# Altium PCB VCO.PcbDoc (part 1 of 2) (continued)
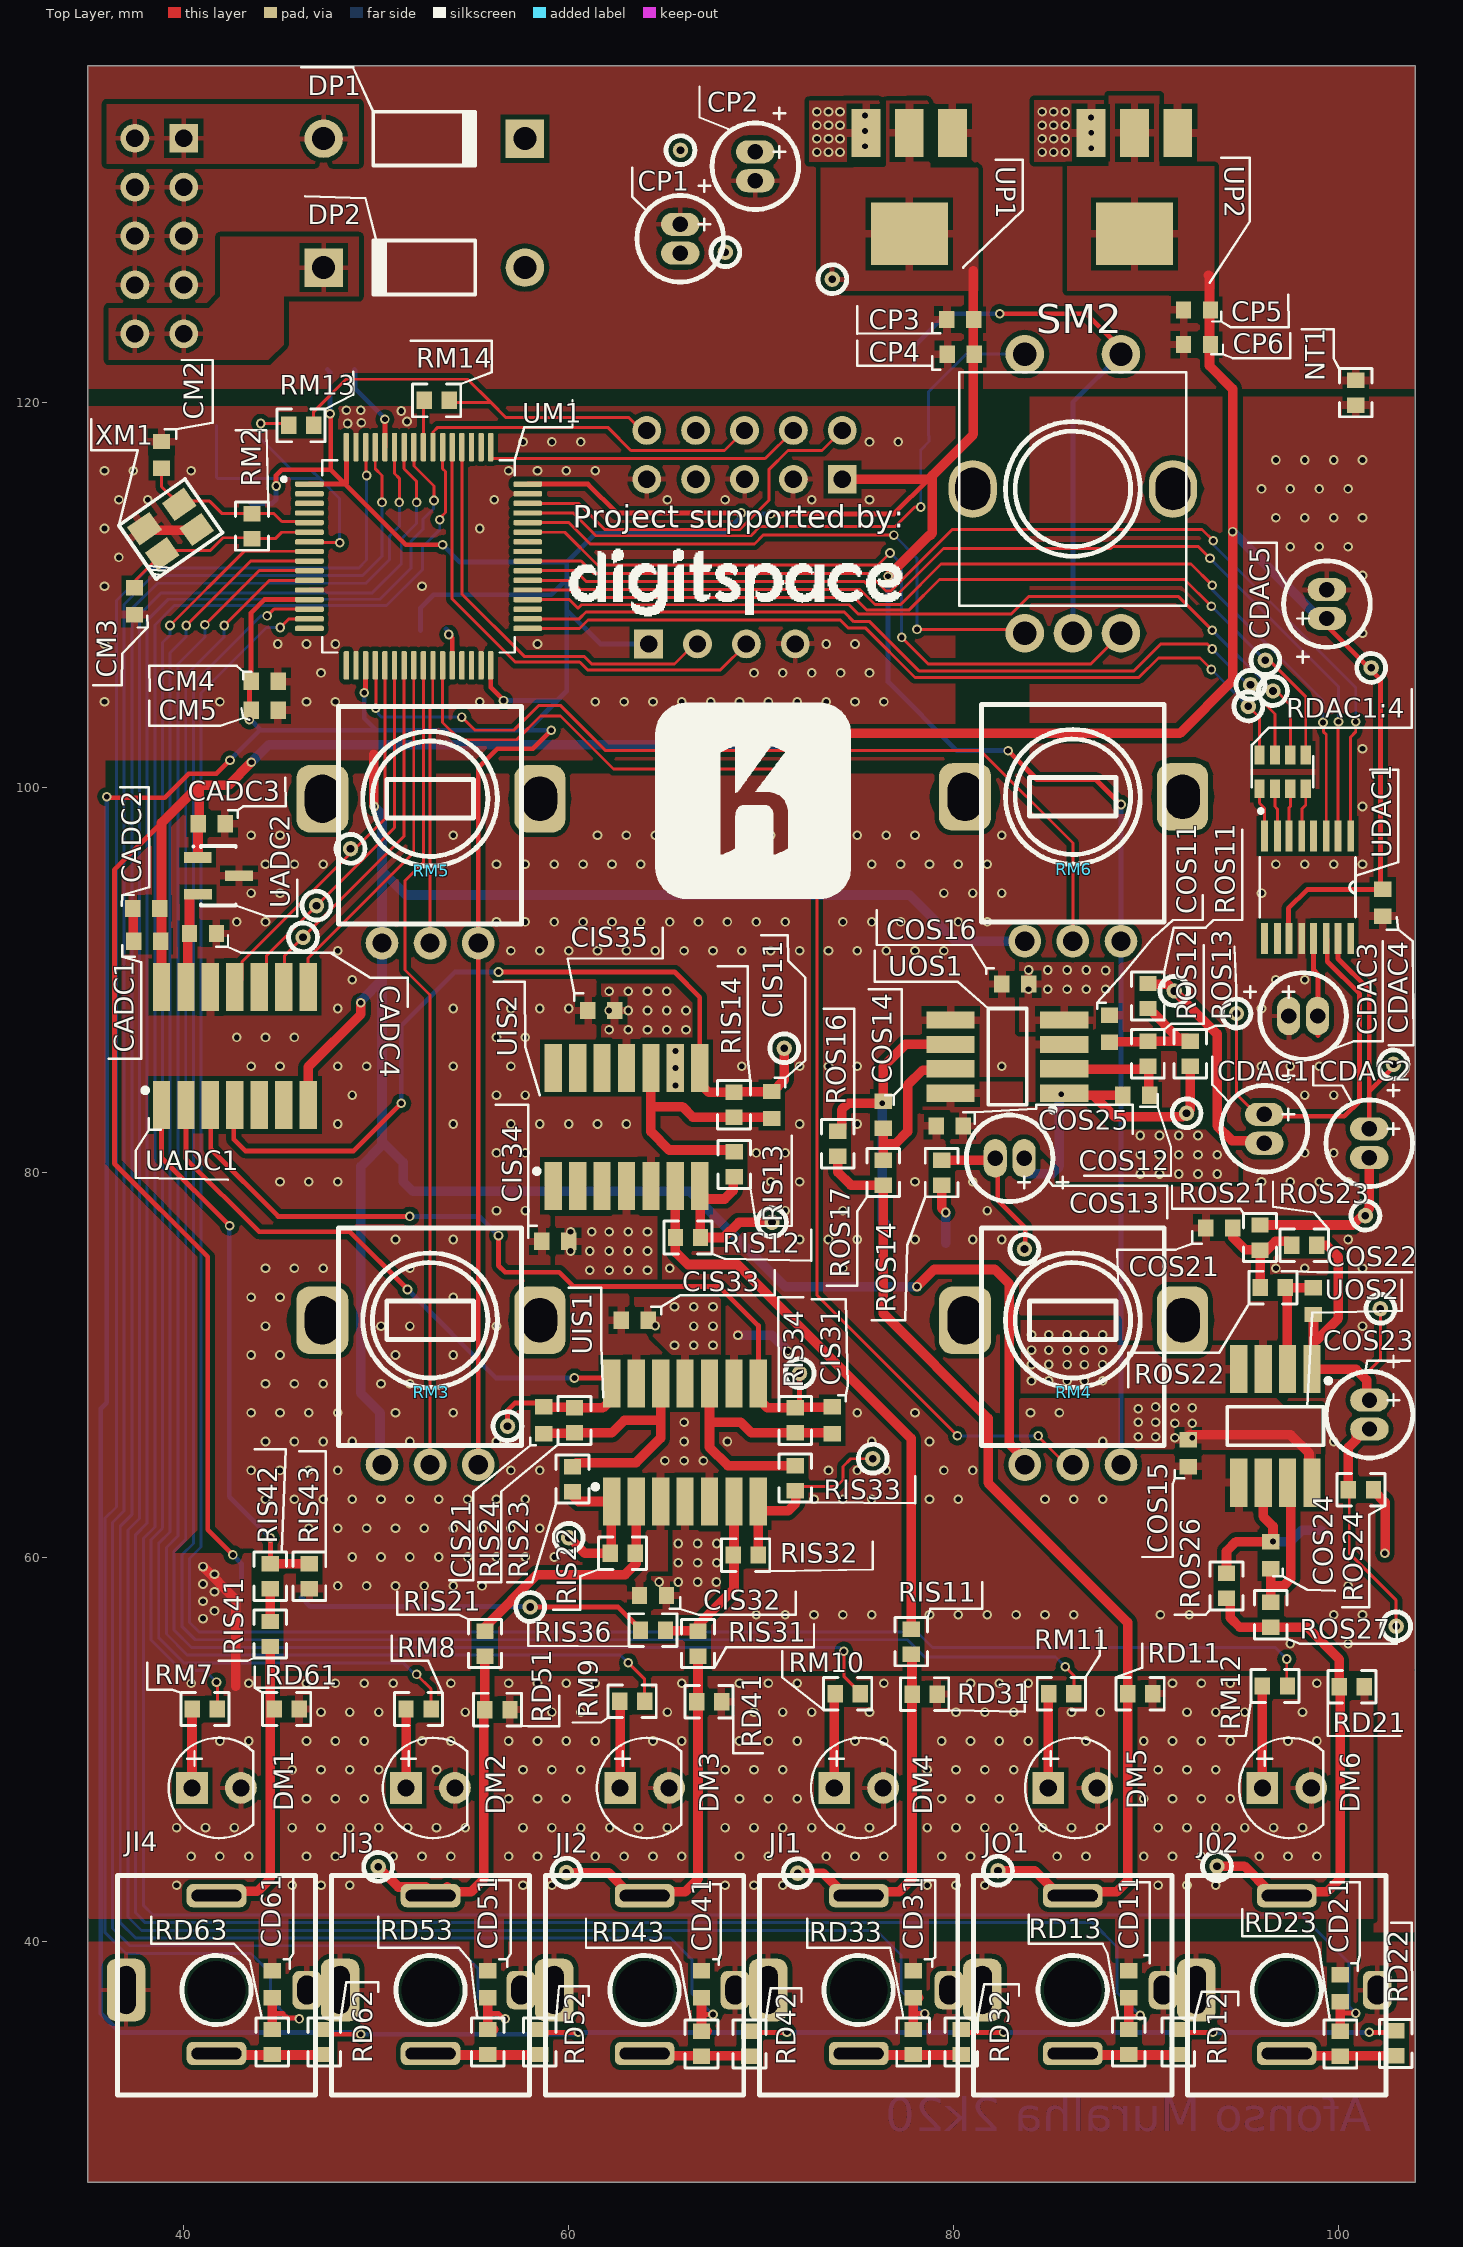
[diagram p0: Top Layer view]
## Components (designator, comment, footprint, x,y, rotation, side; value= is the part's Value field where it differs from the comment) (continued)
JTAG "Header 5X2" HDR2X5 74.217,116 r180 bottom (schematic designator PM1)
LP1 "Ferrite" RES0805R 61.3,134.1 r180 bottom value=10mH
LP2 "Ferrite" RES0805R 61.3,126.6 r180 bottom value=10mH
NT1 "Net_Tie" RES0603R 100.894,120.5 r270 top value=0
NT2 "Net_Tie" RES0603R 52.3,122.8 r270 bottom value=0
Power "Header 5X2" HDR2X5 40,133.72 r270 bottom locked (schematic designator PP1)
RD11 "Res1" RES0603R 89.7,52.9 r180 top value=10k
RD12 "Res1" RES0603R 91.675,34.8 r90 top value=100k
RD13 "Res1" RES0603R 89.1,34.8 r90 top value=49.9k
RD21 "Res1" RES0603R 100.7,53.255 r180 top value=10k
RD22 "Res1" RES0603R 102.974,34.725 r90 top value=100k
RD23 "Res1" RES0603R 100.1,34.7 r90 top value=49.9k
RD31 "Res1" RES0603R 78.5,52.877 r180 top value=10k
RD32 "Res1" RES0603R 80.4,34.8 r90 top value=100k
RD33 "Res1" RES0603R 77.9,34.8 r90 top value=49.9k
RD41 "Res1" RES0603R 67.3,52.476 r180 top value=10k
RD42 "Res1" RES0603R 69.4,34.7 r90 top value=100k
RD43 "Res1" RES0603R 66.9,34.7 r90 top value=49.9k
RD51 "Res1" RES0603R 56.3,52.07 r180 top value=10k
RD52 "Res1" RES0603R 58.5,34.8 r90 top value=100k
RD53 "Res1" RES0603R 55.8,34.8 r90 top value=49.9k
RD61 "Res1" RES0603R 45.35,52.1 r180 top value=10k
RD62 "Res1" RES0603R 47.3,34.8 r90 top value=100k
RD63 "Res1" RES0603R 44.6,34.8 r90 top value=49.9k
RDAC1:4 "742C083121JP" RESARRAY(4X0603) 97.1,100.8 r0 top
reset "Switch" PUSH_SMD_3X4 36.85,120.3 r0 bottom (schematic designator SM1)
RIS11 "Res1" RES0603R 77.8,55.6 r90 top value=100k
RIS12 "Res1" RES0603R 66.2,76.6 r0 top value=41.2k
RIS13 "Res1" RES0603R 68.6,80.4 r90 top value=24.9k
RIS14 "Res1" RES0603R 68.589,83.5 r90 top value=24.9k
RIS21 "Res1" RES0603R 55.65,55.5 r90 top value=100k
RIS22 "Res1" RES0603R 62.805,60.2 r180 top value=41.2k
RIS23 "Res1" RES0603R 60.2,64.05 r90 top value=24.9k
RIS24 "Res1" RES0603R 60.3,67.1 r90 top value=24.9k
RIS31 "Res1" RES0603R 66.721,55.5 r90 top value=100k
RIS32 "Res1" RES0603R 69.2,60.1 r0 top value=41.2k
RIS33 "Res1" RES0603R 71.775,64.1 r90 top value=24.9k
RIS34 "Res1" RES0603R 71.775,67.1 r90 top value=24.9k
RIS35 "" SMD_POT_3X3MM 46.8,60.5 r270 bottom value=20k
RIS36 "Res1" RES0603R 64.382,56.2 r0 top value=100k
RIS41 "Res1" RES0603R 44.5,56 r90 top value=100k
RIS42 "Res1" RES0603R 44.5,59 r270 top value=1k
RIS43 "Res1" RES0603R 46.529,59 r90 top value=2k
RM1 "Res1" RES0603R 43.5,115.4 r90 bottom value=1K
RM2 "Res1" RES0603R 43.546,113.564 r270 top value=1K
RM3 "" POT-RV09 52.8,72.3 r0 top locked value=20k
RM4 "" POT-RV09 86.2,72.3 r0 top locked value=20k
RM5 "" POT-RV09 52.8,99.4 r0 top locked value=20k
RM6 "" POT-RV09 86.2,99.5 r0 top locked value=20k
RM7 "Res1" RES0603R 41.1,52.1 r180 top value=1K
RM8 "Res1" RES0603R 52.2,52.1 r180 top value=1K
RM9 "Res1" RES0603R 63.3,52.5 r180 top value=1K
RM10 "Res1" RES0603R 74.5,52.9 r180 top value=1K
RM11 "Res1" RES0603R 85.6,52.9 r180 top value=1K
RM12 "Res1" RES0603R 96.7,53.3 r180 top value=1K
RM13 "Res1" RES0603R 46.1,118.8 r180 top value=OPEN
RM14 "Res1" RES0603R 53.144,120.1 r180 top value=SHORT
ROS11 "" RES0603R 90.1,89.15 r270 top value=5.6k
ROS12 "" RES0603R 90.1,86.15 r270 top value=3k
ROS13 "" RES0603R 92.3,86.15 r270 top value=5.6k
ROS14 "" RES0603R 79.379,79.969 r270 top value=30k
ROS15 "" SMD_POT_3X3MM 75.8,74.7 r90 bottom value=20k
ROS16 "" RES0603R 73.984,81.474 r270 top value=100k
ROS17 "" RES0603R 76.351,79.974 r270 top value=1k
ROS21 "" RES0603R 95.923,76.6 r270 top value=5.6k
ROS22 "" RES0603R 96.592,74 r0 top value=3k
ROS23 "" RES0603R 98.223,76.2 r0 top value=5.6k
ROS24 "" RES0603R 101.169,63.5 r0 top value=30k
ROS25 "" SMD_POT_3X3MM 98.6,58.6 r90 bottom value=20k
ROS26 "" RES0603R 94.186,58.5 r270 top value=100k
ROS27 "" RES0603R 96.486,57 r270 top value=1k
Serial "Header 4" HDR1X4 64.155,107.445 r0 bottom (schematic designator PM2)
SM2 "ENCODER" "ROTARY ENCODER" 86.2,115.5 r0 top
TPADC1 "Test Point" "Test POint" 48.668,96.8 r90 bottom
TPADC2 "Test Point" "Test POint" 46.2,92.2 r90 bottom
TPADC3 "Test Point" "Test POint" 46.9,93.847 r90 bottom
TPDAC1 "Test Point" "Test POint" 95.317,104.2 r90 bottom
TPDAC2 "Test Point" "Test POint" 95.429,105.324 r90 bottom
TPDAC3 "Test Point" "Test POint" 96.6,104.999 r90 bottom
TPDAC4 "Test Point" "Test POint" 96.2,106.6 r90 bottom
TPDAC5 "Test Point" "Test POint" 94.7,88.24 r90 bottom
TPDAC6 "Test Point" "Test POint" 102.857,85.6 r90 bottom
TPIS11 "Test Point" "Test POint" 71.9,43.572 r90 bottom
TPIS12 "Test Point" "Test POint" 70.567,77.39 r90 bottom
TPIS13 "Test Point" "Test POint" 71.2,86.435 r90 bottom
TPIS21 "Test Point" "Test POint" 50.1,43.9 r90 bottom
TPIS22 "Test Point" "Test POint" 60,61 r90 bottom
TPIS23 "Test Point" "Test POint" 56.826,66.8 r90 bottom
TPIS31 "Test Point" "Test POint" 59.882,43.6 r90 bottom
TPIS32 "Test Point" "Test POint" 75.8,65.107 r90 bottom
TPIS33 "Test Point" "Test POint" 72,69.55 r90 bottom
TPIS34 "Test Point" "Test POint" 58,57.4 r90 bottom
TPOS11 "Test Point" "Test POint" 91.467,89.414 r90 bottom
TPOS12 "Test Point" "Test POint" 92.108,83.059 r90 bottom
TPOS13 "Test Point" "Test POint" 83.682,76 r90 bottom
TPOS14 "Test Point" "Test POint" 82.31,43.7 r90 bottom
TPOS21 "Test Point" "Test POint" 101.4,77.736 r90 bottom
TPOS22 "Test Point" "Test POint" 102.179,72.9 r90 bottom
TPOS23 "Test Point" "Test POint" 103,56.4 r90 bottom
TPOS24 "Test Point" "Test POint" 93.691,43.933 r90 bottom
TPP1 "Test Point" "Test POint" 65.808,133.1 r90 bottom
TPP2 "Test Point" "Test POint" 68.141,127.8 r90 bottom
TPP3 "Test Point" "Test POint" 73.7,126.4 r90 bottom
TPP4 "Test Point" "Test POint" 101.7,106.2 r90 bottom
UADC1 "MCP3204-CI/SL" SOIC-14 40.749,86.6 r90 top
UADC2 "4.096 VREF" SOT-23-3 41.8,95.4 r270 top
UDAC1 "PCM1781DBQR" SOP16-63P600X175-16N 98.4,94.8 r270 top
UIS1 "TL074" SOIC-14 64.144,66 r90 top
UIS2 "TL074" SOIC-14 61.1,82.4 r90 top
UM1 "STM32F103RCT6" QFP64P1200X1200X160-64N 52.2,112 r0 top
UOS1 "Dual NE5532 opamp" SOIC-8 82.8,86 r180 top
UOS2 "Dual NE5532 opamp" SOIC-8 96.721,66.81 r270 top
UP1 "3v3 REG" "SOT-223-3 - REG" 80.95,134.754 r180 top
UP2 "5VREG" "SOT-223-3 - REG" 92.65,134.754 r180 top
XM1 "TSX-3225" TSX-3225 37.959,113.439 r35 top

## Footprints (in the part's own frame and the unit in brackets; to place one, negate y for a bottom-side part, rotate by r counter-clockwise, add the part's x,y. Pads: shape width x height; smd on the part's side, far side on the other; paste and mask are expansions set on the pad)
"C 0603 / 1608" [mm] "Capacitor 0603 / 1608 (1.6 x 0.8 mm)"
  rect 0.8x0.9 smd: 1(-0.7,0) 2(0.7,0)
  body extent -0.8,-0.4 0.8,0.4, height 0.3
C-RAD-4.5 [mm]
  oval 1.2x2 hole 0.8: 1(-0.75,0) 2(0.75,0)
  silkscreen extent -3.05,-2.25 2.25,2.25, body extent -2.53,-2.53 2.53,2.53, height 11.53
DO-41 [mm] "Diode, Axial; Body 5.2 x 2.7 mm (LxDia. max), Lead Dia. 0.86 mm (max)"
  round 2 hole 1.2: 1(-5.23,0)
  rect 2x2 hole 1.2: 2(5.23,0)
  silkscreen extent -2.65,-1.4 2.75,1.4
HDR1X4 [mm] "Connector; Header; 4 Position"
  rect 1.5x1.5 hole 0.9: 1(0,0)
  round 1.5 hole 0.9: 2(2.54,0) 3(5.08,0) 4(7.62,0)
  silkscreen extent -1.27,-1.27 8.89,1.27
HDR2X5 [mm] "Connector; Header; 5x2 Position"
  rect 1.5x1.5 hole 0.9: 1(0,0)
  round 1.5 hole 0.9: 2(0,2.54) 3(2.54,0) 4(2.54,2.54) 5(5.08,0) 6(5.08,2.54) 7(7.62,0) 8(7.62,2.54) 9(10.16,0) 10(10.16,2.54)
  silkscreen extent -1.27,-1.27 11.43,3.81, body extent -1.19,-1.19 11.35,3.81, height 10.54
LED2-2.54-D5.0MM [mil]
  rect 65x65 hole 35: 1(-49.99,0)
  round 65 hole 35: 2(49.99,0)
  silkscreen extent -97,-103 75,103, body extent -116,-116 98,116, height 513
PJ-301BM [mm]
  rrect50% 2x3.25 hole 1 slot 2.5 at 90 deg: 1(-4.7,0)
  rrect50% 1.5x2 hole 1 slot 1.5 at 90 deg: 1(4.7,0)
  rrect50% 3.1x1.2 hole 0.6 slot 2.6 at 0 deg: 2(0,-3.3) 3(0,4.9)
  round 0 hole 3: 18(0,0)
  silkscreen extent -5.15,-5.46 5.15,5.96, body extent -4.9,-5.01 4.9,5.89, height 16.04
POT-RV09 [mm] "https://ae01.alicdn.com/kf/HTB1c8yhLSzqK1RjSZPxq6A4tVXap.jpg"
  round 1.7 hole 1: 1(-2.5,-7.5) 2(2.5,-7.5) 3(0,-7.5)
  rrect50% 2.7x3.5 hole 2.5 slot 1.8 at 0 deg: 4(-5.6,0)
  rrect50% 2.65x3.5 hole 2.3 slot 1.8 at 0 deg: 4(5.7,0)
  silkscreen extent -4.75,-6.5 4.75,4.8, body extent -5.85,-7.6 5.85,7.25, height 26.6
PUSH_SMD_3X4 [mm]
  rect 1.35x1.35 smd: 1(0.15,1.5) 2(4.85,1.5)
  silkscreen extent 0,0 5,3, body extent 0.05,0.05 4.95,2.95, height 2
QFP64P1200X1200X160-64N [mm]
  rrect50% 1.49x0.28 smd: 1(-5.67,3.75) 2(-5.67,3.25) 3(-5.67,2.75) 4(-5.67,2.25) 5(-5.67,1.75) 6(-5.67,1.25) 7(-5.67,0.75) 8(-5.67,0.25) 9(-5.67,-0.25) 10(-5.67,-0.75) 11(-5.67,-1.25) 12(-5.67,-1.75) 13(-5.67,-2.25) 14(-5.67,-2.75) 15(-5.67,-3.25) 16(-5.67,-3.75) 33(5.67,-3.75) 34(5.67,-3.25) 35(5.67,-2.75) 36(5.67,-2.25) 37(5.67,-1.75) 38(5.67,-1.25) 39(5.67,-0.75) 40(5.67,-0.25) 41(5.67,0.25) 42(5.67,0.75) 43(5.67,1.25) 44(5.67,1.75) 45(5.67,2.25) 46(5.67,2.75) 47(5.67,3.25) 48(5.67,3.75)
  rrect50% 0.28x1.49 smd: 17(-3.75,-5.67) 18(-3.25,-5.67) 19(-2.75,-5.67) 20(-2.25,-5.67) 21(-1.75,-5.67) 22(-1.25,-5.67) 23(-0.75,-5.67) 24(-0.25,-5.67) 25(0.25,-5.67) 26(0.75,-5.67) 27(1.25,-5.67) 28(1.75,-5.67) 29(2.25,-5.67) 30(2.75,-5.67) 31(3.25,-5.67) 32(3.75,-5.67) 49(3.75,5.67) 50(3.25,5.67) 51(2.75,5.67) 52(2.25,5.67) 53(1.75,5.67) 54(1.25,5.67) 55(0.75,5.67) 56(0.25,5.67) 57(-0.25,5.67) 58(-0.75,5.67) 59(-1.25,5.67) 60(-1.75,5.67) 61(-2.25,5.67) 62(-2.75,5.67) 63(-3.25,5.67) 64(-3.75,5.67)
  silkscreen extent -7.1,-5 5,5, body extent -6,-6 6,6, height 1.2
RES0603R [mm] "resistor 0603 reflow soldering"
  rect 0.8x0.9 smd: 1(-0.65,0) 2(0.65,0)
  silkscreen extent -1.25,-0.85 1.25,0.85, body extent -0.8,-0.4 0.8,0.4, height 0.45
RES0805R [mm] "resistor 0805 reflow soldering"
  rect 0.85x1.4 smd: 1(-0.875,0) 2(0.875,0)
  silkscreen extent -1.5,-1.05 1.5,1.05, body extent -1,-0.63 1,0.62, height 0.5
RESARRAY(4X0603) [mm]
  rect 0.53x0.97 smd: 1(-1.2,-0.875) 2(-0.4,-0.875) 3(0.4,-0.875) 4(1.2,-0.875) 5(1.2,0.875) 6(0.4,0.875) 7(-0.4,0.875) 8(-1.2,0.875)
  silkscreen extent -1.6,-2.13 1.6,0.8, body extent -1.6,-0.8 1.6,0.8, height 0.61
"ROTARY ENCODER" [mm]
  round 2 hole 1.2: 1(-2.5,-7.5) 2(2.5,-7.5) 3(0,-7.5) 4(-2.5,7) 5(2.5,7)
  oval 2.5x3 hole 2.2 slot 1.8 at 0 deg: 21(-5.2,0) 21(5.2,0)
  silkscreen extent -5.9,-6.06 5.9,6.06, body extent -6.55,-7.93 6.55,7.33, height 26.65
SMD_POT_3X3MM [mm] "https://ae01.alicdn.com/kf/HTB1u8VOIVXXXXaMXFXXq6xXFXXXn/202183707/HTB1u8VOIVXXXXaMXFXXq6xXFXXXn.jpg?size=54797&height=535&width=908&hash=f9182dae1c0bb9b5ef09d7fbeb165d97"
  rect 1.2x1.2 smd: 1(0.6,0.7) 3(2.6,0.7)
  rect 1.6x1.5 smd: 2(1.6,3.8)
  silkscreen extent -0.3,-0.2 3.5,4.6, body extent 0.05,0.3 3.15,4.1, height 1.62
SOIC-8 [mm]
  rect 2.5x0.9 smd: 1(-2.95,1.905) 2(-2.95,0.635) 3(-2.95,-0.635) 4(-2.95,-1.905) 5(2.95,-1.905) 6(2.95,-0.635) 7(2.95,0.635) 8(2.95,1.905)
  silkscreen extent -2.48,-2.5 1,2.88, body extent -3,-2.45 3,2.45, height 1.75
SOIC-14 [mm]
  rect 2.5x0.9 smd: 1(-3.113,1.905) 2(-3.113,0.635) 3(-3.113,-0.635) 4(-3.113,-1.905) 5(-3.113,-3.175) 6(-3.113,-4.445) 7(-3.113,-5.715) 8(3.013,-5.715) 9(3.013,-4.445) 10(3.013,-3.175) 11(3.013,-1.905) 12(3.013,-0.635) 13(3.013,0.635) 14(3.013,1.905)
  silkscreen extent -2.47,2.63 -2.23,2.88, body extent -3.05,-6.28 3.03,2.47, height 1.75
SOLDERJUMPER_2WAY_OPEN_NOPASTE [mil]
  rect 46x63 smd paste-31.5: 1(-55,0) 3(55,0)
  rect 46x63 smd: 2(0,0)
SOP16-63P600X175-16N [mil]
  rect 63x14 smd: 1(-105,88) 2(-105,62) 3(-105,38) 4(-105,12) 5(-105,-12) 6(-105,-38) 7(-105,-62) 8(-105,-88) 9(105,-88) 10(105,-62) 11(105,-38) 12(105,-12) 13(105,12) 14(105,38) 15(105,62) 16(105,88)
  silkscreen extent -61,-98 61,98, body extent -119,-98 119,98, height 67
SOT-23-3 [mm]
  rect 0.55x1.45 smd: 1(-0.95,-1.075) 2(0.965,-1.067) 3(0,1.067)
  silkscreen extent -1.57,-1.35 1.55,0.9, body extent -1.49,-1.32 1.51,1.28, height 1.1
"SOT-223-3 - REG" [mm]
  rect 1.5x2.5 smd: 1(1,0.75) 2(3.25,0.75) 3(5.5,0.75)
  rect 4x3.25 smd: 2(3.25,6)
  Top Layer region: 1.25,4.5 5.25,4.5 5.25,7.5 1.25,7.5
  body extent -0.1,-0.22 6.6,7.08, height 1.8
"Test POint" [mm]
  round 0.8 hole 0.4: 1(0,0)
  silkscreen extent -0.75,-0.75 0.75,0.75
TSX-3225 [mm]
  rect 1.4x1.15 smd: 1(0,-1.6) 2(2.2,-1.6) 3(2.2,0) 4(0,0)
  silkscreen extent -1,-2.5 3.2,0.9, body extent -0.46,-2.01 2.74,0.49, height 0.65

## Part data
boot0 boot1: library part SOLDERJUMPER_2WAY0603
CADC1 CADC2 CADC3 CADC4 CDAC4 CIS32 CIS33 CIS34 CIS35 CM1 CM2 CM3 CM4 CM5 COS11 COS12 COS14 COS15 COS16 COS21 COS22 COS24 COS25 COS26: library part Capacitor
CD11 CD21 CD31 CD41 CD51 CD61 CIS11 CIS21 CIS31 CP4 CP6: "Capacitor", LatestRevisionDate=17-Jul-2002, LatestRevisionNote="Re-released for DXP Platform.", PackageDescription="Radial Cap, Thru-Hole; 2 Leads; 0.3 in Pin Spacing", PackageReference=RAD-0.3, Published=8-Jun-2000, Publisher="Altium Limited"
CDAC1 CDAC2 CDAC3 CDAC5 COS13 COS23: "Polarized Capacitor (Radial)", LatestRevisionDate=17-Jul-2002, LatestRevisionNote="Re-released for DXP Platform.", PackageDescription="Polarized Capacitor (Radial); 2 Leads", PackageReference=RB7.6-15, Published=8-Jun-2000, Publisher="Altium Limited"
CP1 CP2 CP3 CP5: "Polarized Capacitor (Axial)", LatestRevisionDate=17-Jul-2002, LatestRevisionNote="Re-released for DXP Platform.", PackageDescription="Polarized Capacitor; 2 Leads", PackageReference=POLAR0.8, Published=8-Jun-2000, Publisher="Altium Limited"
DM1 DM2 DM3 DM4 DM5 DM6: "Typical INFRARED GaAs LED", LatestRevisionDate=08-Jul-2005, LatestRevisionNote="Mech Layer 1 removed.", PackageDescription="LED; 2 Leads", PackageReference=LED-0, Published=8-Jun-2000, Publisher="Altium Limited"
DP1 DP2: library part Diode
J02 JI1 JI2 JI3 JI4 JO1: "https://www.snapeda.com/parts/PJ-301BM/Tayda%20Electronics/datasheet/ /  / https://pt.aliexpress.com/item/32841677168.html?spm=a2g03.12057483.0.0.6dda4aeaXiyjRe /  / https://lh3.googleusercontent.com/proxy/ZbPfZslDxdj8iWSgzh0kYZVEID9Zfc6SS9ZRHYvUB6heg4eTAyEEOQEiXlT2FamGh3ujXXQ57fTjbGyEKtdVl3hemL66LOj7ZA"
JTAG Power: "Header, 5-Pin, Dual row", LatestRevisionDate=17-Jul-2002, LatestRevisionNote="Re-released for DXP Platform.", Publisher="Altium Limited"
LP1: library part Inductor, Code_IEC=1005, Code_JEITA=0402, LatestRevisionDate=29-May-2009, LatestRevisionNote="IPC-7351 Footprint Added.", PackageDescription="Chip Inductor", PackageReference=0402-A, Published=8-Jun-2000, Publisher="Altium Limited"
LP2: library part Inductor, "Inductor", Code_IEC=1005, Code_JEITA=0402, LatestRevisionDate=29-May-2009, LatestRevisionNote="IPC-7351 Footprint Added.", PackageDescription="Chip Inductor", PackageReference=0402-A, Published=8-Jun-2000, Publisher="Altium Limited"
NT1 NT2 ROS11 ROS12 ROS13 ROS14 ROS16 ROS17 ROS21 ROS22 ROS23 ROS24 ROS26 ROS27: library part Res1, "Resistor", LatestRevisionDate=17-Jul-2002, LatestRevisionNote="Re-released for DXP Platform.", PackageDescription="Axial Device, Thru-Hole; 2 Leads; 0.3 in Pin Spacing", PackageReference=AXIAL-0.3, Published=8-Jun-2000, Publisher="Altium Limited"
RD11 RD12 RD13 RD21 RD22 RD23 RD31 RD32 RD33 RD41 RD42 RD43 RD51 RD52 RD53 RD61 RD62 RD63 RIS11 RIS12 RIS13 RIS14 RIS21 RIS22 RIS23 RIS24 RIS31 RIS32 RIS33 RIS34 RIS36 RIS41 RIS42 RIS43 RM1 RM2 RM7 RM8 RM9 RM10 RM11 RM12 RM13 RM14: "Resistor", LatestRevisionDate=17-Jul-2002, LatestRevisionNote="Re-released for DXP Platform.", PackageDescription="Axial Device, Thru-Hole; 2 Leads; 0.3 in Pin Spacing", PackageReference=AXIAL-0.3, Published=8-Jun-2000, Publisher="Altium Limited"
RDAC1:4: library part "Resistor Array 4x", "Res Thick Film Array 120 Ohm 5% 1/4W ±200ppm/°C ISOL Molded 8-Pin 1206_4 X 0603_ Concave SMD Paper T/R", Package="1206 CTS Components", Availability=Unavailable, MF="CTS Resistor", MP=742C083121JP, Price=None, SnapEDA_Link=https://www.snapeda.com/parts/742C083121JP/CTS%20Resistor%20Products/view-part/?ref=snap
reset: library part B3U-1000P, Manufacturer=Omron, DIGIKEY=SW1020CT-ND, MPN=B3U-1000P
RIS35 RM3 RM4 RM5 RM6 ROS15 ROS25: library part RPot, "Potentiometer", LatestRevisionDate=17-Jul-2002, LatestRevisionNote="Re-released for DXP Platform.", PackageDescription="Variable Resistor, Thru-Hole; 3 Leads", PackageReference=VR5, Published=8-Jun-2000, Publisher="Altium Limited", Set Position=0.5, Sim Note="Enter the Resistance value and the set point into parameter fields."
Serial: "Header, 4-Pin", LatestRevisionDate=17-Jul-2002, LatestRevisionNote="Re-released for DXP Platform.", Publisher="Altium Limited"
UADC1: "12 Bit Analog to Digital Converter 2, 4 Input 1 SAR 14-SOIC", Package="SOIC-14 Microchip", Availability=Unavailable, MF=Microchip, MP=MCP3204-CI/SL, Price=None, SnapEDA_Link=https://www.snapeda.com/parts/MCP3204-CI/SL/Microchip/view-part/62/?ref=snap
UADC2: library part MCP1541, "4.096 Voltage reference"
UDAC1: "Converters - Digital to Analog _DAC_ 24-Bit, 192kHz, Ster Delta-Sig Audio DAC", Package="SSOP-16 Texas Instruments", Availability=Unavailable, MF="Texas Instruments", MP=PCM1781DBQR, Price=None, SnapEDA_Link=https://www.snapeda.com/parts/PCM1781DBQR/Texas%20Instruments/view-part/547789/?ref=snap
UM1: "ARM® Cortex®-M3 STM32F1 Microcontroller IC 32-Bit 72MHz 256KB _256K x 8_ FLASH", Package="LQFP-64 STMicroelectronics", Availability=Unavailable, MF=STMicroelectronics, MP=STM32F103RCT6, Price=None, SnapEDA_Link=https://www.snapeda.com/parts/STM32F103RCT6/STMicroelectronics/view-part/44152/?ref=snap
UOS1 UOS2: library part NE5532
UP1 UP2: library part AMS1117, "LDO 3.3V/5V/12V"
XM1: "16MHz ±10ppm Crystal 9pF 60 Ohms 4-SMD, No Lead", Package="SMD-4 Epson", Availability=Unavailable, MF=EPSON, MP=TSX-3225, Price=None, SnapEDA_Link=https://www.snapeda.com/parts/TSX-3225/EPSON/view-part/557780/?ref=snap

## Via types
v1: diameter 0.5, hole 0.3, Top Layer to Bottom Layer, tented both sides, 534 vias
v2: diameter 0.5, hole 0.3, Top Layer to Bottom Layer, 240 vias

## Nets (pads, with @x,y where several pads share a name; then routed paths per layer and width w, separated by ;. In a path a pad name is that pad's centre, name@x,y a point inside that pad or via, vN(x,y) a via of type N, cw(c..) or ccw(c..) an arc to the next point about the centre after c; other vN are vias at no path point)
3V3: boot0.3 boot1.3 CM4.2 CM5.2 CP3.1 CP4.2 JTAG.1 RD12.2 RD22.2 RD32.2 RD42.2 RD52.2 RD62.2 RM1.1 RM3.2 RM4.2 RM5.2 RM6.2 Serial.1 TPP3.1 UM1.1 UM1.13 UM1.19 UM1.32 UM1.48 UM1.64 UP1.2 | length 387.5
  Top Layer w0.25: v1@36.055,99.455 39.009,99.455 40.254,100.7 41.7,100.7 v1(42.4,101.4) ; v1(43.411,103.5) 43.411,105.411 CM4.2@43.5,105.5 43.5,109.068 44.182,109.75 UM1.13@46.53,109.75 ; v1(44.801,115.65) 44.801,116.2 45.101,116.5 47.635,116.5 ; UM1.1@46.53,115.75 48.385,115.75 ; RD62.2@47.3,35.45 47.35,35.5 47.65,35.2 v1(49.2,35.2) ; v1(47.601,119.4) 47.635,119.366 47.635,116.5 ; UM1.64@48.45,117.67 48.45,115.815 48.385,115.75 ; v1@49.45,104.913 UM1.19@49.45,106.33 ; v1(53.45,112.6) 51.535,112.6 48.385,115.75 ; RM3.2@55.3,64.8 RM5.2@55.3,91.9 55.3,101.003 56.297,102 58.14,102 v1(59.1,102.96) ; UM1.32@55.95,106.33 55.95,105.183 v1@56.625,104.508 ; UM1.48@57.87,115.75 61.001,115.75 62.501,114.25 v1(68.974,114.25) ; RD52.2@58.5,35.45 58.55,35.5 58.85,35.2 58.95,35.3 v1(60.5,35.3) ; RD42.2@69.4,35.35 69.55,35.5 69.75,35.3 v1(71.346,35.3) ; v1(70.5,114.2) 76.9,114.2 78.7,116 ; 78.742,113.1 78.8,113.1 ; RD32.2@80.4,35.45 80.45,35.5 80.65,35.3 v1(82.6,35.3) ; v1(82.835,101.9) 84.335,100.4 87.4,100.4 v1(88.7,99.1) ; RD12.2@91.675,35.45 91.725,35.5 91.925,35.3 v1(93.475,35.3) ; v1(101.6,35.3) 102.899,35.3 RD22.2@102.974,35.375 ; 47.635,116.5 48.385,115.75
  Top Layer w0.5: JTAG.1@74.217,116 78.7,116 78.9,116.2 ; v1(76.6,110.958) 78.742,113.1 ; 78.8,113.1 78.9,113.2 78.9,116.2 ; 81.031,126.843 81.031,118.331 78.9,116.2
  Bottom Layer w0.25: v1(36,99.51) 36,68.021 35.689,67.71 35.689,36.288 36.677,35.3 49.2,35.3 49.3,35.2 60.332,35.2 60.432,35.3 v1(71.346,35.3) v1(82.6,35.3) v1(93.475,35.3) v1(101.6,35.3) ; v1(42.4,101.4) 43.96,102.96 44.01,102.96 ; v1(43.411,103.5) 43.471,103.5 44.01,102.96 ; RM1.1@43.5,114.75 44.6,114.75 44.801,114.951 v1(44.801,115.65) ; boot0.3@47.472,121.7 47.6,121.572 v1@47.6,119.4 ; v1(49.38,104.913) 49.379,103.587 50.006,102.96 ; boot1.3@52.303,108.15 52.303,109.325 52.978,110 59.1,110 59.9,110.8 ; v1(53.45,112.6) 54.35,111.7 59.9,111.7 ; v1(56.617,104.5) 59.4,104.5 ; v1(59.1,102.96) 57.86,102.96 ; Serial.1@64.155,107.445 61.655,107.445 59.9,109.2 ; v1(70.5,114.2) 69.1,114.2 68.1,113.2 61.4,113.2 59.9,111.7 ; v1(76.6,110.958) 76.6,105.473 80.173,101.9 v1(82.835,101.9) ; RM4.2@88.7,64.8 RM6.2@88.7,92 v1(88.7,99.1) ; 44.01,102.96 50.006,102.96 ; 50.006,102.96 57.86,102.96 ; 57.86,102.96 59.9,105 59.9,109.2 ; 59.9,109.2 59.9,110.8 ; 59.9,110.8 59.9,111.7
+5: CADC1.1 CADC2.1 CADC3.1 CDAC4.1 CDAC5.1 CP5.1 CP6.2 RIS35.2 TPP4.1 UADC1.14 UADC2.1 UDAC1.11 UP2.2 | length 164.4
  Top Layer w0.25: 38.844,98.144 36.4,95.7 36.4,80.447 41.247,75.6 41.247,61.415 v1(42.553,60.108) ; UDAC1.11@97.435,92.133 97.4,92.168 97.4,93.7 98.379,94.679 102.179,94.679 102.179,105.604 CDAC5.1@99.291,108.492 ; CDAC5.1@99.4,108.805 CDAC5.1@99.505,108.805
  Top Layer w0.5: UADC1.14@38.844,89.613 38.844,98.144 40.8,100.1 ; UADC2.1@40.725,96.35 40.737,96.362 40.737,98.088 CADC3.1@40.749,98.1 40.8,98.151 40.8,100.1 ; v1(43.516,101.3) 42.316,100.1 40.8,100.1 ; v1(73.243,102.6) 73.443,102.8 91.758,102.8 94.5,105.542 v1(94.5,113.283) 94.5,120.7 93.3,121.9 93.3,126.55 93.25,126.6 ; CDAC5.1@99.207,108.575 CDAC5.1@99.291,108.492
  Bottom Layer w0.25: v1(42.553,60.108) 43,59.661 RIS35.2@43,58.9
  Bottom Layer w0.5: v1(43.516,101.3) 44.426,102.21 72.852,102.21 v1(73.243,102.6) ; v1(94.5,113.283) 99.015,108.768 CDAC5.1@99.4,108.768
+12: CIS32.2 CIS34.2 COS15.2 COS25.2 CP2.1 LP1.1 TPP1.1 UIS1.4 UIS2.4 UOS1.8 UOS2.8 UP1.3 UP2.3 | length 8.1
  Top Layer w0.5: COS15.2@92.269,66.35 97.519,66.35 98.469,65.401 UOS2.8@98.469,63.85
  other v1: 64.7,58.7 65.7,58.7 66.7,58.7 67.675,58.7 65.7,59.7 66.7,59.7 67.7,59.7 65.7,60.7 66.7,60.7 67.7,60.7 91.5,66.2 92.4,66.2 89.6,66.25 90.5,66.25 91.5,66.95 92.4,66.95 89.6,67 90.5,67 89.6,67.7 91.5,67.75 92.4,67.75 90.5,67.8 61.1,74.9 62.1,74.9 63.1,74.9 64.1,74.9 60.1,75.9 61.1,75.9 62.1,75.9 63.1,75.9 64.1,75.9 60.1,76.9 61.2,76.9 62.1,76.9 63.1,76.9 64.1,76.9 89.7,79.9 90.7,79.9 91.7,79.9 92.7,79.9 93.7,79.9 89.7,80.9 90.7,80.9 91.7,80.9 92.7,80.9 93.7,80.9 89.7,81.9 90.7,81.9 91.7,81.9 92.7,81.9 72.9,133 73.5,133 74.101,133 84.6,133 85.2,133 85.801,133 87.15,133.2 75.4,133.3 72.9,133.7 73.5,133.7 74.101,133.7 84.6,133.7 85.2,133.7 85.801,133.7 87.15,134.004 75.4,134.1 72.9,134.4 73.5,134.4 74.101,134.4 84.6,134.4 85.2,134.4 85.801,134.4 87.141,134.8 75.4,134.9 72.9,135.1 73.5,135.1 74.101,135.1 84.6,135.1 85.2,135.1 85.801,135.1
-12: CIS33.2 CIS35.2 COS16.2 COS26.2 CP1.2 LP2.1 TPP2.1 UIS1.11 UIS2.11 UOS1.4 UOS2.4
  other v1: 84.05,69.15 84.95,69.15 85.9,69.15 86.8,69.15 87.744,69.15 84.05,70 84.95,70 85.9,70 86.8,70 87.744,70 84.05,70.75 84.95,70.75 85.9,70.75 86.8,70.75 87.744,70.75 65.5,71 66.5,71 67.5,71 84.05,71.55 84.95,71.55 85.9,71.55 86.8,71.55 87.744,71.55 66.5,72 67.5,72 64.495,72.026 65.5,73 66.5,73 67.5,73 62.1,87.4 63.1,87.4 64.1,87.4 65.1,87.4 66.1,87.4 62.1,88.4 63.1,88.4 64.1,88.4 65.1,88.4 66.1,88.4 62.1,89.4 63.1,89.4 64.1,89.4 65.1,89.4 83.9,89.5 84.9,89.5 85.9,89.5 86.9,89.5 87.9,89.5 87.9,90.475 83.9,90.5 84.9,90.5 85.9,90.5 86.9,90.5
ADC_CLK: TPADC1.1 UADC1.11 UM1.21 | length 19.9
  Top Layer w0.152: UADC1.11@42.654,89.613 43.028,89.987 43.028,90.928 50.449,98.349 UM1.21@50.45,106.33
ADC_CS: UADC1.8 UM1.24 | length 19
  Top Layer w0.152: UADC1.8@46.464,89.613 46.464,91.123 51.949,96.608 UM1.24@51.949,106.33
ADC_MISO: TPADC3.1 UADC1.10 UM1.22 | length 19.6
  Top Layer w0.152: UADC1.10@43.924,89.613 44.298,89.987 44.298,91.245 50.949,97.896 UM1.22@50.95,106.33
ADC_MOSI: TPADC2.1 UADC1.9 UM1.23 | length 19.3
  Top Layer w0.152: UADC1.9@45.194,89.613 45.224,89.643 45.224,91.224 51.449,97.449 UM1.23@51.45,106.33
AGND: CADC1.2 CADC2.2 CADC3.2 CADC4.2 CDAC3.1 CDAC4.2 CDAC5.2 CIS32.1 CIS33.1 CIS34.1 CIS35.1 COS11.1 COS15.1 COS16.1 COS21.1 COS25.1 COS26.1 J02.1 JI1.1 JI2.1 JI3.1 JI4.1 JO1.1 NT1.2 RIS35.1 RIS43.1 UADC1.12 UADC2.3 UDAC1.12 UIS1.3 UIS1.5 UIS1.9 UIS1.13 UIS2.5 UIS2.9 UOS1.3 UOS1.5 UOS2.3 UOS2.5 | length 4.7
  Top Layer w0.5: CADC2.2@37.349,93.7 37.374,93.675 37.374,92.025 CADC1.2@37.398,92 ; v1@68.789,71.55 68.8,71.539 v1(68.8,71.517)
  Bottom Layer w0.5: v1(68.8,71.517) 70.575,71.517 v1(71.392,70.7)
  other v1: 97.5,55.5 100.5,55.5 69.75,57 71.25,57 72.75,57 74.25,57 75.75,57 78.75,57 80.25,57 81.75,57 83.25,57 84.75,57 86.25,57 90.75,57 92.25,57 99.75,57 101.25,57 48,58.5 49.5,58.5 51,58.5 52.5,58.5 54,58.5 55.5,58.5 100.5,58.5 48.75,60 50.25,60 51.75,60 53.25,60 54.75,60 56.25,60 57.75,60 59.25,60 46.5,61.5 48,61.5 49.5,61.5 51,61.5 52.5,61.5 54,61.5 55.5,61.5 57,61.5 58.5,61.5 44.25,63 45.75,63 47.25,63 48.75,63 50.25,63 51.75,63 53.25,63 54.75,63 56.25,63 57.75,63 72.75,63 74.25,63 75.75,63 78.75,63 80.25,63 84.75,63 86.25,63 87.75,63 43.5,64.5 45,64.5 46.5,64.5 48,64.5 57,64.5 58.5,64.5 73.5,64.5 75,64.5 76.5,64.5 79.5,64.5 81,64.5 65,65 66,65 67,65 44.25,66 45.75,66 47.25,66 48.75,66 51.75,66 56.25,66 66,66 68.25,66 75.75,66 78.75,66 87.75,66 99.75,66 66,67 43.5,67.5 45,67.5 46.5,67.5 48,67.5 51,67.5 54,67.5 75,67.5 78,67.5 84,67.5 85.5,67.5 44.25,69 45.75,69 47.25,69 50.25,69 51.75,69 43.5,70.5 45,70.5 51,70.5 54,70.5 44.25,72 50.25,72 51.75,72 56.25,72 101.25,72 43.5,73.5 45,73.5 54,73.5 44.25,75 45.75,75 47.25,75 51.75,75 65.25,75 74.25,75 96.75,75 98.25,75 101.25,75 51,76.5 54,76.5 72,76.5 73.5,76.5 75,76.5 78,76.5 81,76.5 82.5,76.5 100.5,76.5 56.25,78 57.75,78 71.25,78 74.25,78 81.75,78 45,79.5 46.5,79.5 48,79.5 70.5,79.5 72,79.5 78,79.5 81,79.5 96,79.5 97.5,79.5 99,79.5 100.5,79.5 56.25,81 57.75,81 69.75,81 71.25,81 98.25,81 99.75,81 48,82.5 54,82.5 57,82.5 58.5,82.5 60,82.5 61.5,82.5 63,82.5 72,82.5 75,82.5 48.75,84 56.25,84 57.75,84 98.25,84 99.75,84 65.55,84.5 65.545,85.413 43.5,85.5 45,85.5 48,85.5 49.5,85.5 54,85.5 57,85.5 69,85.5 72,85.5 73.5,85.5 75,85.5 82.5,85.5 96,85.5 97.5,85.5 99,85.5 65.545,86.29 42.75,87 44.25,87 45.75,87 56.25,87 57.75,87 48,88.5 54,88.5 57,88.5 58.5,88.5 60,88.5 96,88.5 48.75,90 96.75,90 98.25,90 48,91.5 57,91.5 58.5,91.5 60,91.5 61.5,91.5 63,91.5 64.5,91.5 66,91.5 67.5,91.5 69,91.5 70.5,91.5 72,91.5 73.5,91.5 75,91.5 76.5,91.5 78,91.5 79.5,91.5 42.75,93 44.25,93 56.25,93 57.75,93 59.25,93 60.75,93 62.25,93 63.75,93 65.25,93 66.75,93 68.25,93 69.75,93 71.25,93 74.25,93 75.75,93 77.25,93 80.25,93 81.75,93 43.5,94.5 45,94.5 79.5,94.5 81,94.5 82.5,94.5 96,94.5 44.25,96 45.75,96 47.25,96 56.25,96 57.75,96 59.25,96 60.75,96 62.25,96 63.75,96 65.25,96 66.75,96 68.25,96 69.75,96 71.25,96 74.25,96 75.75,96 77.25,96 78.75,96 80.25,96 81.75,96 96.75,96 98.25,96 99.75,96 101.25,96 43.5,97.5 45,97.5 54,97.5 61.5,97.5 63,97.5 64.5,97.5 66,97.5 67.5,97.5 69,97.5 70.5,97.5 72,97.5 73.5,97.5 75,97.5 76.5,97.5 78,97.5 82.5,97.5 101.25,99 101.25,102 101.25,108 101.25,111 97.5,112.5 99,112.5 100.5,112.5 96.75,114 98.25,114 99.75,114 101.25,114 96,115.5 97.5,115.5 99,115.5 100.5,115.5 96.75,117 98.25,117 99.75,117 101.25,117
AUDIO_OUT_1: JO1.3 RD11.2 ROS16.2 ROS17.2 TPOS14.1 | length 52.3
  Top Layer w0.5: ROS16.2@73.984,80.894 ROS16.2@73.984,80.824 73.984,80.004 74.664,79.324 ROS17.2@76.347,79.324 ; ROS17.2@76.401,79.324 ROS17.2@76.351,79.324 76.351,72.649 81.8,67.2 81.8,63.85 89.05,56.6 89.05,53.083 RD11.2@89.019,53.052 ; TPOS14.1@82.31,43.7 84.217,43.7 85.317,42.6 86.192,42.6 88.475,42.6 89.05,43.175 RD11.2@89.05,52.9
AUDIO_OUT_1_SWITCH: CD11.2 RD13.2 UM1.57 | length 147.5
  Top Layer w0.152: UM1.57@51.95,117.67 51.96,117.66 51.96,116.697 53.001,115.656 v1(53.001,114.9) ; 89.1,36.239 89.161,36.178 v1(89.7,36.178)
  Top Layer w0.5: RD13.2@89.1,35.45 89.1,36.239 CD11.2@89.1,37.1
  Bottom Layer w0.152: v1(53.001,114.9) 52.978,114.877 52.978,114.47 52.433,113.925 52.433,113.4 51.8,112.767 51.8,111.371 50.197,109.768 39.197,109.768 38.1,108.671 38.1,61.76 37.5,61.16 37.5,41.5 38,41 87.232,41 88.5,39.732 88.5,37.378 v1(89.7,36.178)
AUDIO_OUT_2: J02.3 RD21.2 ROS26.2 ROS27.2 TPOS24.1 | length 26.3
  Top Layer w0.5: TPOS24.1@93.691,43.933 95.107,43.933 96.44,42.6 97.315,42.6 99.415,42.6 100.09,43.275 100.09,53.255 100.05,53.295 100.05,54.686 98.386,56.35 ROS27.2@96.486,56.35 94.872,56.35 94.386,56.836 94.386,57.7 94.236,57.85 ROS26.2@94.186,57.85
AUDIO_OUT_2_SWITCH: CD21.2 RD23.2 UM1.54 | length 157.8
  Top Layer w0.152: v1(53.301,113.9) 53.301,113.976 53.601,114.276 53.601,116.4 53.45,116.551 UM1.54@53.45,117.67
  Top Layer w0.25: 100.1,36.3 v1(100.9,36.3)
  Top Layer w0.5: RD23.2@100.1,35.35 100.1,36.3 CD21.2@100.1,36.9
  Bottom Layer w0.152: v1(53.301,113.9) 53.301,113.38 52.4,112.479 52.4,111.3 50.535,109.435 39.505,109.435 38.5,108.43 38.5,61.56 37.9,60.96 37.9,41.9 38.4,41.4 98.066,41.4 100.54,38.927 100.54,36.66 v1(100.9,36.3)
BOOT0: boot0.2 UM1.60 | length 4.6
  Top Layer w0.25: UM1.60@50.45,117.67 v1(50.45,119.119)
  Bottom Layer w0.25: boot0.2@48.869,121.7 48.9,121.669 48.9,120.715 v1@50.449,119.165
BOOT1: boot1.2 UM1.28 | length 1.9
  Top Layer w0.25: v1(53.772,107.932) 53.95,107.754 UM1.28@53.95,106.33
  Bottom Layer w0.25: boot1.2@53.629,108.221 boot1.2@53.7,108.15 boot1.2@53.771,108.079
DAC_CLK: RDAC1:4.5 TPDAC4.1 UM1.37 | length 47.2
  Top Layer w0.152: UM1.37@57.87,110.25 60.05,110.25 60.45,109.85 74.85,109.85 75.5,109.2 77.673,109.2 79.273,110.8 92,110.8 v1(93.399,109.401) ; v1(96.2,106.6) 96.3,106.7 98.3,104.7 RDAC1:4.5@98.3,101.675
  Bottom Layer w0.152: v1(93.399,109.401) v1(96.2,106.6)
DAC_CLK_IC: RDAC1:4.4 UDAC1.5 | length 2.5
  Top Layer w0.152: UDAC1.5@98.095,97.467 98.095,98.864 98.3,99.069 RDAC1:4.4@98.3,99.925
DAC_DEMP0: UDAC1.2 UM1.39 | length 54.6
  Top Layer w0.152: UM1.39@57.87,111.25 60.35,111.25 60.9,110.7 75.345,110.7 76.245,109.8 76.881,109.8 79.481,112.4 88.164,112.4 88.264,112.5 92.725,112.5 v1(93.325,111.9) ; UDAC1.2@99.975,97.467 99.975,103.375 v1(100,103.4)
  Bottom Layer w0.152: v1(93.325,111.9) 100,105.225 v1(100,103.4)
DAC_DEMP1: UDAC1.3 UM1.38 | length 52.9
  Top Layer w0.152: UM1.38@57.87,110.75 60.13,110.75 60.6,110.28 75.139,110.28 75.919,109.5 77.255,109.5 79.355,111.6 92.341,111.6 v1(93.441,110.5) ; v1(99.2,103.364) 99.214,103.35 99.214,102.886 99.365,102.735 UDAC1.3@99.365,97.467
  Bottom Layer w0.152: v1(93.441,110.5) 93.441,110.259 99.2,104.5 v1(99.2,103.364)
DAC_FORMAT: UDAC1.1 UM1.40 | length 56.4
  Top Layer w0.152: UM1.40@57.87,111.75 60.65,111.75 61.3,111.1 75.585,111.1 76.485,110.2 76.739,110.2 79.934,113.395 92.906,113.395 v1(93.5,112.801) ; UDAC1.1@100.635,97.467 100.635,102.613 100.9,102.878 v1(100.9,103.4)
  Bottom Layer w0.152: v1(93.5,112.801) 93.5,112.583 100.9,105.183 v1(100.9,103.4)
DAC_MUTE: UDAC1.4